# Allegro board Try it by yourself - iMX6Rex module - Create Class - Assign Color - Copy last segment.brd (continued)
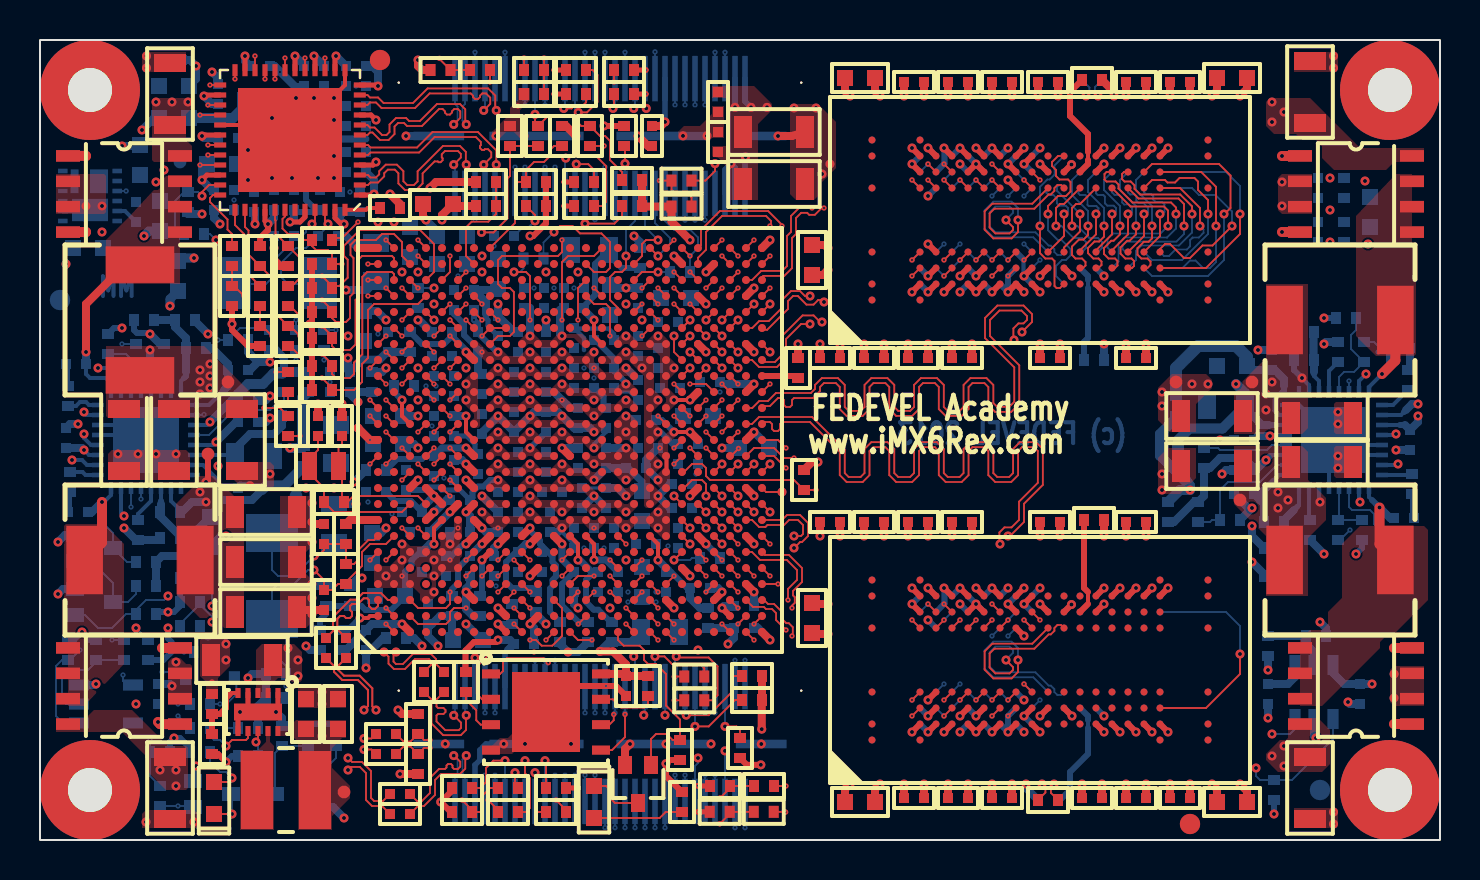
[diagram p0: board, top side]
## Routing (per net, layer and track width the routed paths; a pad name or vN(x,y) marks a point on that pad's centre or on a via; arc(x,y) is an arc through that point) (continued)
  L10 w0.08: v4(27.75,38.58) v5(27.75,38.98) ; v4(11.6,37.1) 11.65,37.05 11.65,36.72 11.5,36.57 11.25,36.57 10.75,37.07 10.5,37.07 10.35,36.92 10.35,36.67 10.55,36.47 10.55,36.22 10.4,36.07 10.15,36.07 10.02,36.2 9.83,36.2 8.46,34.83 8.12,34.83 6.17,32.88 6.17,32.57 5.82,32.22 5.82,31.43 4.82,30.43 4.82,29.53 v4(4.3,29)
  L11 w0.1: v5(27.75,38.98) v6(27.75,39.38)
  BOTTOM w0.093: J1.32 v6(27.75,39.38)
SD3_WP: length 51.6
  TOP w0.093: R40.1 29.25,34.65 v1(29.25,33.82) ; v2(18.1,22.8) U1.C17
  L2 w0.1: v2(18.1,22.8) v3(18.4,23.1)
  L3 w0.08: v3(18.4,23.1) 18.27,23.22 17.14,23.22 16.77,23.6 16.5,23.6 16.22,23.32 15.03,23.32 14.58,22.87 11.94,22.87 11.48,23.33 11.26,23.33 8.66,25.93 7.44,25.93 6.9,26.47 6.9,26.83 5.9,27.83 v4(5.9,29.5) ; v1(29.25,33.82) 28.93,33.5 28.62,33.5 28.3,33.82 27.99,33.82 27.45,33.29 26.7,33.29 26.38,33.6 25.5,33.6 25,33.1 23.57,33.1 23.3,32.83 20.37,32.83 19.82,33.38 18.84,33.38 17.54,34.68 16.48,34.68 16.3,34.5 15.4,34.5 15,34.9 14.13,34.9 13.96,34.73 13.54,34.73 13.3,34.97 13.3,35.17 12.87,35.6 v4(12.2,35.6)
  L10 w0.08: v4(5.9,29.5) 6.1,29.7 6.1,30.3 7.72,31.93 7.72,32.36 7.94,32.57 8.27,32.57 8.8,33.1 9.4,33.1 10.22,33.93 12.42,33.93 13.17,34.68 13.17,35.33 12.9,35.6 v4(12.2,35.6)
  BOTTOM w0.093: J1.25 v1(29.25,33.82)
SENSE_1V5: length 3.5
  BOTTOM w0.4: R59.1 R67.2 63.3,9.8 63.7,9.4 U6.5
TAMPER: length 19
  TOP w0.093: v2(19.7,18) U1.E11
  L2 w0.1: v3(19.4,18.3) v2(19.7,18)
  L3 w0.08: v3(19.4,18.3) 19.32,18.38 18.74,18.38 18.52,18.16 18.52,17.96 17.5,16.93 16.46,16.93 15.93,16.4 13,16.4 12.1,15.5 10.51,15.5 9.59,14.58 8.57,14.58 7.8,13.8 7.8,12 8.1,11.7 v1(8.6,11.7)
  BOTTOM w0.093: v1(8.6,11.7) 8.6,12.5 R55.1
TEST_MODE: length 24.4
  TOP w0.093: v2(19.7,18.8) U1.E12
  L2 w0.1: v2(19.7,18.8) v3(20,19.1)
  L3 w0.08: v3(20,19.1) 19.12,19.98 18.74,19.98 18.37,19.6 16.12,19.6 15.72,19.2 13.23,19.2 12,17.97 12,17.5 11.52,17.03 9.34,17.03 8.1,15.79 7.8,15.79 5.75,13.74 5.75,10.65 6.17,10.23 6.67,10.23 6.8,10.1 v4(6.8,9.8)
  L10 w0.08: v5(6.8,9.4) v4(6.8,9.8)
  L11 w0.1: v5(6.8,9.4) v6(7.2,9.4)
  BOTTOM w0.093: v6(7.2,9.4) R56.2
TRD0_N: length 9.8
  TOP w0.09: U8.3 16.4,33.25 16.52,33.13 16.8,33.13 16.96,33.29 16.96,33.44 17.29,33.77 17.84,33.77 18.17,33.44 18.17,32.94 18.36,32.75 18.7,32.75 18.88,32.93 18.88,33.43 20.15,34.7 21,34.7 21.29,34.41 21.29,33.79 v1(21.31,33.77)
  BOTTOM w0.09: J1.57 21.25,33.71 v1(21.31,33.77)
TRD0_P: length 9.8
  TOP w0.09: v1(20.69,33.77) 21.04,34.12 21.04,34.3 20.9,34.45 20.25,34.45 20.09,34.29 20.09,34.13 20.13,34.09 20.13,33.99 20.03,33.89 19.93,33.89 19.89,33.93 19.73,33.93 19.13,33.33 19.13,32.83 18.8,32.5 18.25,32.5 17.92,32.83 17.92,33.34 17.74,33.52 17.39,33.52 17.21,33.34 17.21,33.18 16.9,32.88 16.52,32.88 16.4,32.75 U8.2
  BOTTOM w0.09: v1(20.69,33.77) 20.75,33.71 J1.59
TRD1_N: length 9.8
  TOP w0.09: U8.6 16.4,34.75 16.52,34.63 18.85,34.63 19.63,35.4 21.9,35.4 22.81,34.48 v1(22.81,33.77)
  BOTTOM w0.09: v1(22.81,33.77) 22.75,33.71 J1.51
TRD1_P: length 9.8
  TOP w0.09: v1(22.19,33.77) 22.56,34.14 22.56,34.38 22.4,34.54 22.24,34.54 22.2,34.5 22.1,34.5 22,34.6 22,34.7 22.04,34.74 22.04,34.9 21.79,35.15 19.73,35.15 18.96,34.38 16.52,34.38 16.4,34.25 U8.5
  BOTTOM w0.09: J1.53 22.25,33.71 v1(22.19,33.77)
TRD2_N: length 9.8
  TOP w0.09: v1(21.31,35.78) 21.26,35.83 21.26,36.54 21,36.8 19.85,36.8 19,35.95 18.45,35.95 18.3,36.1 17.8,36.1 17.47,35.78 17.47,35.4 17.32,35.25 17.1,35.25 16.73,35.63 16.5,35.63 16.37,35.75 U8.8
  BOTTOM w0.09: J1.58 21.25,36.8 21.12,36.67 21.12,35.97 v1(21.31,35.78)
TRD2_P: length 9.8
  TOP w0.09: v1(20.69,35.78) 21.01,36.11 21.01,36.43 20.9,36.55 20.71,36.55 20.6,36.44 20.6,36.37 20.5,36.27 20.35,36.27 20.25,36.37 20.25,36.44 20.13,36.55 19.95,36.55 19.1,35.7 18.35,35.7 18.2,35.85 17.9,35.85 17.72,35.67 17.72,35.3 17.43,35 17,35 16.62,35.38 16.5,35.38 16.37,35.25 U8.7
  BOTTOM w0.09: v1(20.69,35.78) 20.87,35.97 20.87,36.67 20.75,36.8 J1.60
TRD3_N: length 9.8
  TOP w0.09: v1(22.81,36.48) 22.76,36.53 22.76,37.22 22.4,37.58 19.38,37.58 18.65,36.85 17.18,36.85 16.9,37.13 16.5,37.13 16.37,37.25 U8.11
  BOTTOM w0.09: J1.52 22.75,36.54 v1(22.81,36.48)
TRD3_P: length 9.8
  TOP w0.09: v1(22.19,36.48) 22.51,36.81 22.51,37.12 22.3,37.33 22.11,37.33 22,37.22 22,37.15 21.9,37.05 21.75,37.05 21.65,37.15 21.65,37.22 21.53,37.33 19.48,37.33 18.75,36.6 17.07,36.6 16.8,36.88 16.5,36.88 16.37,36.75 U8.10
  BOTTOM w0.09: J1.54 22.25,36.54 v1(22.19,36.48)
UART1_CTS: length 21.8
  TOP w0.093: U1.G21 v2(22.1,26)
  L2 w0.1: v2(22.1,26) v3(22.4,26.3)
  L3 w0.08: v4(32.75,33.57) 32.75,33.11 32.62,32.99 32.62,32.71 30.28,30.36 30.28,29.65 29.18,28.55 27.75,28.55 27.22,28.03 26.74,28.03 26.24,28.53 25.85,28.53 25.6,28.78 23.54,28.78 23.36,28.59 22.89,28.59 22.27,27.98 21.9,27.98 21.62,27.7 21.62,26.85 22.17,26.3 v3(22.4,26.3)
  L10 w0.08: v5(32.75,31.39) v4(32.75,33.57)
  L11 w0.1: v6(32.75,30.99) v5(32.75,31.39)
  BOTTOM w0.093: J1.11 v6(32.75,30.99)
UART1_DCD: length 22.1
  TOP w0.093: v2(18.9,30) U1.D25
  L2 w0.1: v2(18.9,30) v3(19.2,30.3)
  L3 w0.08: v3(19.2,30.3) 19.4,30.3 20.48,29.22 20.83,29.22 21.61,30 23,30 23.17,29.83 25.91,29.83 26.34,29.4 27.97,29.4 28.92,30.36 28.92,30.52 29.39,30.98 29.57,30.98 31.47,32.89 31.47,33.23 31.25,33.46 v4(31.25,34.17)
  L10 w0.08: v4(31.25,34.17) 31.25,34.58 31.75,35.08 v5(31.75,37.16)
  L11 w0.1: v6(31.75,36.76) v5(31.75,37.16)
  BOTTOM w0.093: J1.16 v6(31.75,36.76)
UART1_DSR: length 18.6
  TOP w0.093: U1.G22 v2(22.1,26.8)
  L2 w0.1: v2(22.1,26.8) v3(22.4,27.1)
  L3 w0.08: v4(33.25,32.97) 33.22,32.97 30.52,30.27 30.52,29.53 29.3,28.3 27.78,28.3 27.31,27.83 26.58,27.83 26.37,28.03 26.1,28.3 25.8,28.3 25.52,28.03 25.14,28.03 24.87,28.3 24.2,28.3 23.92,28.03 23.32,28.03 v3(22.4,27.1)
  L10 w0.08: v5(33.25,31.39) v4(33.25,32.97)
  L11 w0.1: v6(33.25,30.99) v5(33.25,31.39)
  BOTTOM w0.093: J1.9 v6(33.25,30.99)
UART1_DTR: length 20
  TOP w0.093: U1.F22 v2(21.3,27.6)
  L2 w0.1: v3(21,27.9) v2(21.3,27.6)
  L3 w0.08: v3(21,27.9) 20.7,28.2 20.7,28.8 21.7,29.8 22.76,29.8 23,29.56 25.84,29.56 26.2,29.2 28.1,29.2 29.12,30.22 29.12,30.44 29.47,30.78 29.7,30.78 31.67,32.75 31.67,33.49 v4(31.75,33.57)
  L10 w0.08: v5(31.75,31.39) v4(31.75,33.57)
  L11 w0.1: v6(31.75,30.99) v5(31.75,31.39)
  BOTTOM w0.093: J1.15 v6(31.75,30.99)
UART1_RI: length 21.8
  TOP w0.093: U1.F23 v2(21.3,28.4)
  L2 w0.1: v3(21,28.7) v2(21.3,28.4)
  L3 w0.08: v4(32.25,34.17) 32.25,33.54 31.87,33.16 31.87,32.62 29.84,30.58 29.55,30.58 29.32,30.36 29.32,30.09 28.24,29 26.07,29 25.77,29.3 22.8,29.3 22.5,29.6 21.9,29.6 v3(21,28.7)
  L10 w0.08: v5(33.25,37.16) 33.75,36.66 33.75,34.96 33,34.21 32.29,34.21 v4(32.25,34.17)
  L11 w0.1: v6(33.25,36.76) v5(33.25,37.16)
  BOTTOM w0.093: v6(33.25,36.76) J1.10
UART1_RTS: length 20
  TOP w0.093: v2(21.3,26) U1.G20
  L2 w0.1: v2(21.3,26) v3(21.6,26.3)
  L3 w0.08: v4(32.25,32.97) 32.25,32.66 30.08,30.49 30.08,29.88 29.9,29.7 29.27,29.7 28.34,28.78 25.96,28.78 25.7,29.04 22.47,29.04 22.26,28.83 21.99,28.83 21.3,28.13 21.3,27.13 21.37,27.06 21.37,26.53 v3(21.6,26.3)
  L10 w0.08: v5(32.25,31.39) v4(32.25,32.97)
  L11 w0.1: v6(32.25,30.99) v5(32.25,31.39)
  BOTTOM w0.093: J1.13 v6(32.25,30.99)
UART1_RXD: length 98.1
  TOP w0.093: v4(24.5,10) 24.8,10 25.08,9.71 25.61,9.71 26.1,10.2 26.1,11.6 U1.M3
  L2 w0.1: v3(24.2,10.3) v4(24.5,10)
  L3 w0.08: v3(24.2,10.3) v4(24.5,10) ; v4(16.1,35.2) 17.73,35.2 18.11,34.83 18.29,34.83 19.02,34.1 19.82,34.1 20.53,33.39 23,33.39 23.51,33.9 24.6,33.9 25.48,34.78 26.95,34.78 27.42,35.25 28.28,35.25 28.41,35.38 29.27,35.38 29.66,35.78 30.22,35.78 31.31,36.86 32.01,36.86 v4(32.25,36.62)
  L10 w0.08: v4(24.5,10) 24.54,10 24.94,9.6 25.92,9.6 26.1,9.78 26.56,9.78 26.77,9.56 26.77,7.8 27.12,7.45 27.12,6.51 27.62,6.01 27.62,4.98 28.3,4.3 28.3,3 27.67,2.38 27.67,1.68 27.27,1.27 18.13,1.27 17.7,1.7 11.14,1.7 10.86,1.98 8.62,1.98 7.42,3.17 7.42,3.93 7.6,4.1 7.6,5.95 7.35,6.2 7.35,7.82 5.72,9.44 5.72,9.98 6,10.25 6,14.89 6.42,15.32 6.42,19.54 5.71,20.25 5.71,21.11 6,21.4 6,24 6.15,24.15 6.15,25.32 7.2,26.37 7.7,26.37 10.75,29.42 10.75,29.65 11.32,30.22 11.69,30.22 12.1,30.63 12.1,31.03 12.34,31.28 13.3,31.28 13.4,31.18 15.29,31.18 16,31.89 16,34.7 16.1,34.8 v4(16.1,35.2) ; v4(32.25,36.62) v5(32.25,37.16)
  L11 w0.1: v6(32.25,36.76) v5(32.25,37.16)
  BOTTOM w0.093: v6(32.25,36.76) J1.14
UART1_TXD: length 97.4
  TOP w0.093: v4(25.3,10) U1.M1
  L2 w0.1: v3(25,10.3) v4(25.3,10)
  L3 w0.08: v4(32.75,36.02) 32.52,36.24 32.09,36.24 31.73,36.61 31.39,36.61 30.36,35.57 29.74,35.57 29.35,35.18 28.49,35.18 28.31,35 27.5,35 27.03,34.53 25.56,34.53 24.68,33.65 23.59,33.65 23.13,33.19 20.45,33.19 19.79,33.85 18.94,33.85 18.16,34.63 18.02,34.63 17.65,35 16.43,35 16.26,34.83 15.67,34.83 v4(15.3,35.2) ; v3(25,10.3) v4(25.3,10)
  L10 w0.08: v4(32.75,36.02) v5(32.75,37.16) ; v4(25.3,10) 26.71,10 27,9.71 27,7.96 27.37,7.59 27.37,6.64 27.87,6.14 27.87,5.11 28.55,4.43 28.55,2.87 27.87,2.19 27.87,1.59 27.35,1.07 18.03,1.07 17.6,1.5 11.05,1.5 10.78,1.78 8.42,1.78 7.17,3.03 7.17,4.08 7.3,4.2 7.3,5.8 7.1,6 7.1,7.73 5.5,9.33 5.5,10.03 5.8,10.33 5.8,11.7 5.7,11.8 5.7,15.03 6.17,15.5 6.17,19.46 5.45,20.18 5.45,21.23 5.7,21.48 5.7,24.1 5.9,24.3 5.9,25.4 7.1,26.6 7.6,26.6 10.45,29.45 10.45,29.72 11.16,30.43 11.56,30.43 11.9,30.77 11.9,31.2 12.2,31.5 13.4,31.5 13.47,31.43 15.16,31.43 15.7,31.97 15.7,34.8 v4(15.3,35.2)
  L11 w0.1: v6(32.75,36.76) v5(32.75,37.16)
  BOTTOM w0.093: v6(32.75,36.76) J1.12
UART2_CTS: length 49.7
  TOP w0.093: U1.B20 v2(18.1,25.2)
  L2 w0.1: v3(17.8,25.5) v2(18.1,25.2)
  L3 w0.08: v4(17.5,25.2) v3(17.8,25.5)
  L10 w0.08: v4(17.5,25.2) 17.42,25.13 15.92,25.13 15.6,24.8 15.1,24.8 14.8,24.5 14.8,24.23 12.9,22.33 12.9,19.45 11.88,18.42 11.88,17.54 11.7,17.37 11.7,12.05 9.7,10.05 9.7,8.87 9.27,8.44 9.27,7.66 10.4,6.53 10.4,6.25 9.67,5.52 9.67,3.82 10.75,2.75 13.37,2.75 13.82,2.3 20.22,2.3 20.69,1.82 25.99,1.82 26.8,2.63 26.8,2.9 27,3.1 27.21,3.1 v5(27.75,3.64)
  L11 w0.1: v6(27.75,3.24) v5(27.75,3.64)
  BOTTOM w0.093: J2.31 v6(27.75,3.24)
UART2_RTS: length 48.8
  TOP w0.093: v2(18.1,24.4) U1.C19
  L2 w0.1: v2(18.1,24.4) v3(18.4,24.7)
  L3 w0.08: v3(18.4,24.7) 18.1,24.7 v4(18,24.8)
  L10 w0.08: v4(18,24.8) 17.37,24.8 17.24,24.93 16.01,24.93 15.58,24.5 15.2,24.5 15.02,24.33 15.02,24.12 13.1,22.2 13.1,19.37 12.07,18.34 12.07,17.46 11.9,17.29 11.9,11.97 9.9,9.97 9.9,8.79 9.53,8.41 9.53,7.74 10.6,6.66 10.6,6.12 9.92,5.44 9.92,3.9 10.83,3 13.45,3 13.93,2.52 20.28,2.52 20.78,2.03 25.91,2.03 26.58,2.69 26.58,2.98 27.24,3.64 v5(27.25,3.64)
  L11 w0.1: v6(27.25,3.24) v5(27.25,3.64)
  BOTTOM w0.093: J2.33 v6(27.25,3.24)
UART2_RXD: length 48.7
  TOP w0.093: v4(19.7,23.6) U1.E18
  L2 w0.1: v3(19.4,23.9) v4(19.7,23.6)
  L3 w0.08: v3(19.4,23.9) v4(19.7,23.6)
  L10 w0.08: v5(26.75,3.64) 26.44,3.64 25.96,3.17 25.96,2.68 25.71,2.43 20.94,2.43 20.45,2.92 14.2,2.92 13.62,3.5 10.99,3.5 10.42,4.07 10.42,5.28 11,5.85 11,6.93 10.02,7.9 10.02,8.35 10.3,8.62 10.3,9.8 12.3,11.8 12.3,17.12 12.47,17.3 12.47,18.18 13.5,19.2 13.5,21.93 15.07,23.5 15.61,23.5 15.97,23.86 15.97,24.18 16.32,24.53 17.08,24.53 17.4,24.2 19.1,24.2 v4(19.7,23.6)
  L11 w0.1: v6(26.75,3.24) v5(26.75,3.64)
  BOTTOM w0.093: J2.35 v6(26.75,3.24)
UART2_TXD: length 47.8
  TOP w0.093: U1.D19 v2(19.7,24.4)
  L2 w0.1: v3(19.4,24.7) v2(19.7,24.4)
  L3 w0.08: v3(19.4,24.7) 19.1,24.7 v4(19,24.8)
  L10 w0.08: v4(19,24.8) 18.62,24.43 17.46,24.43 17.16,24.73 16.19,24.73 15.77,24.31 15.77,23.94 15.56,23.73 14.96,23.73 13.3,22.06 13.3,19.28 12.27,18.26 12.27,17.38 12.1,17.2 12.1,11.88 10.1,9.88 10.1,8.7 9.77,8.38 9.77,7.82 10.8,6.8 10.8,5.98 10.17,5.36 10.17,3.99 10.91,3.25 13.54,3.25 14.07,2.72 20.36,2.72 20.86,2.23 25.79,2.23 26.25,2.69 v5(26.25,2.84)
  L11 w0.1: v5(26.25,2.84) v6(26.25,3.24)
  BOTTOM w0.093: J2.37 v6(26.25,3.24)
UGATE1_2V5: length 14.6
  TOP w0.5: v1(62.1,34.2) 62.99,34.2 Q6.1
  L3 w0.6: v1(66.3,23.3) 66.3,23.6 ; 62.4,33.9 v1(62.1,34.2)
  L3 w0.8: 66.3,23.6 66.3,26.3 63.7,28.9 63.7,32.6 62.4,33.9
  BOTTOM w0.2: U13.15 65.95,22.95 v1(66.3,23.3)
UGATE1_3V3: length 17.9
  TOP w0.5: Q3.1 6,5.8 v1(5.9,5.9)
  L3 w0.5: 3.2,15.82 3.58,16.2 v1(4.2,16.2)
  L3 w0.6: v1(5.9,5.9) 5.6,5.9
  L3 w0.8: 3.2,15.82 1.8,14.42 1.8,11.4 1.2,10.8 1.2,10.1 2,9.3 2,7.3 3.4,5.9 5.6,5.9
  BOTTOM w0.2: U11.15 4.05,16.35 v1(4.2,16.2)
UGATE2_1V5: length 14.3
  TOP w0.5: Q7.1 68.59,5.8 v1(67.7,5.8)
  L3 w0.6: v1(67.7,5.8) 67.57,5.8 67.17,6.2 ; v1(66,16.9) 65.8,16.7
  L3 w0.8: 67.17,6.2 65.87,7.5 65.87,10.03 65.07,10.83 65.07,15.98 65.8,16.7
  BOTTOM w0.2: U13.26 65.95,16.95 v1(66,16.9)
UGATE2_1V375: length 14.5
  TOP w0.5: v1(2.3,34.2) 2.29,34.21 Q4.1
  L3 w0.6: 3.1,24.6 3.1,23.8 v1(2.9,23.6) ; v1(2.3,34.2) 2.5,34 ; 3.1,27.1 3.1,27.7 3.4,28 3.4,29.67 3.82,30.1 3.82,30.6
  L3 w0.8: 3.1,27.1 3.1,24.6 ; 2.5,34 3.82,32.68 3.82,30.6
  BOTTOM w0.2: v1(2.9,23.6) 3.5,23.6 4.05,23.05 U11.26
USB0_ID: length 112
  TOP w0.093: v2(28.5,13.2) U1.T4
  L2 w0.1: v3(28.2,12.9) v2(28.5,13.2)
  L3 w0.08: v4(63.4,37.5) 62.4,38.5 52.7,38.5 52.3,38.9 39.2,38.9 39,39.1 36.64,39.1 36,38.46 34.75,38.46 34.29,38.92 31.26,38.92 v4(31.05,38.71) ; v4(63.1,8.5) 62.5,8.5 61.7,7.7 61.1,7.7 57.7,4.3 51.5,4.3 50.4,3.2 38.09,3.2 37.59,3.7 36.63,3.7 36.18,4.15 35.65,4.15 35.4,4.4 35.4,5.84 32.87,8.37 32.87,8.57 32.41,9.03 32.41,9.29 32.1,9.6 31.39,9.6 31.11,9.88 31.11,11.55 31.65,12.08 31.65,12.84 30.87,13.63 29.13,13.63 28.4,12.9 v3(28.2,12.9)
  L10 w0.08: v4(63.1,8.5) 63.1,22.4 62.62,22.87 62.62,23.7 63.5,24.58 63.5,27.6 64,28.1 64,33.1 63.4,33.7 v4(63.4,37.5) ; v5(30.75,39.01) v4(31.05,38.71)
  L11 w0.1: v5(30.75,39.01) v6(30.75,39.41)
  BOTTOM w0.093: J1.20 v6(30.75,39.41)
USB0_N: length 55.4
  TOP w0.101: v2(17.3,14) U1.B6
  L2 w0.1: v2(17.3,14) v3(17.6,14.3)
  L3 w0.085: v4(19.2,34.6) 19.38,34.78 19.67,34.78 19.91,34.54 24.36,34.54 25.54,35.71 27.29,35.71 27.73,36.15 28.28,36.15 28.41,36.01 29.3,36.01 29.48,36.2 29.93,36.2 v1(30.31,36.58) ; v3(17.6,14.3) 17.5,14.4 17.5,14.9 17.2,15.2 16.38,15.2 16.08,15.5 13.4,15.5 12.72,14.82 10.74,14.82 9.62,13.7 8.8,13.7 v4(8.6,13.9)
  L10 w0.085: v4(19.2,34.6) 18.9,34.9 18.8,34.9 18.65,34.75 18.65,34.5 18.6,34.45 18.35,34.45 18.07,34.17 18.07,31.63 18.27,31.43 18.27,30.48 16.77,28.99 13.09,28.99 10.17,26.07 10.17,25.52 9.83,25.18 9.83,22.32 9.6,22.08 9.6,19.82 8.85,19.07 8.65,19.07 8.53,18.95 8.53,18.47 8.87,18.14 8.87,16.65 8.4,16.19 8.4,15.22 8.1,14.92 8.1,14.6 8.15,14.55 8.27,14.55 8.32,14.5 8.32,14.35 8.27,14.3 8.15,14.3 8.1,14.25 8.1,13.7 8.2,13.6 8.36,13.6 8.6,13.84 v4(8.6,13.9)
  BOTTOM w0.101: J1.22 30.25,36.64 v1(30.31,36.58)
USB0_P: length 55.4
  TOP w0.101: v2(16.5,14) U1.A6
  L2 w0.1: v2(16.5,14) v3(16.8,14.3)
  L3 w0.085: v4(19.2,35.2) 19.42,34.98 19.75,34.98 20,34.74 24.28,34.74 25.46,35.91 27.21,35.91 27.64,36.35 28.36,36.35 28.5,36.21 29.21,36.21 29.3,36.3 29.3,36.8 29.4,36.9 29.6,36.9 29.69,36.81 v1(29.69,36.58) ; v3(16.8,14.3) 17.09,14.3 17.3,14.51 17.3,14.82 17.12,15 16.3,15 16,15.3 13.48,15.3 12.8,14.62 10.82,14.62 9.7,13.5 8.8,13.5 v4(8.6,13.3)
  L10 w0.085: v4(19.2,35.2) 19.1,35.1 18.72,35.1 17.87,34.25 17.87,31.55 18.07,31.35 18.07,30.57 16.69,29.19 13.01,29.19 9.97,26.15 9.97,25.6 9.63,25.26 9.63,22.4 9.4,22.17 9.4,19.9 8.77,19.27 8.57,19.27 8.33,19.03 8.33,18.39 8.67,18.05 8.67,16.74 8.2,16.27 8.2,15.3 7.9,15 7.9,13.62 8.12,13.4 8.5,13.4 v4(8.6,13.3)
  BOTTOM w0.101: v1(29.69,36.58) 29.75,36.64 J1.24
USB0_PWR_EN: length 24.8
  TOP w0.093: v2(20.5,29.2) 20.5,28.4 U1.E23
  L2 w0.1: v2(20.5,29.2) v3(20.5,29.6)
  L3 w0.08: v3(20.5,29.6) v4(20.5,30)
  L10 w0.08: v5(29.25,38.98) 29.25,38.33 28.49,37.57 26.83,37.57 26.5,37.9 26.5,38.5 26,39 23.93,39 23.73,38.8 23.2,38.8 22.92,39.08 21.98,39.08 20.87,37.97 20.87,37.34 19.7,36.17 19.7,34.57 18.85,33.72 18.85,30.85 19.7,30 v4(20.5,30)
  L11 w0.1: v5(29.25,38.98) v6(29.25,39.38)
  BOTTOM w0.093: J1.26 v6(29.25,39.38)
USB1_N: length 20.4
  TOP w0.101: v2(20.5,18) U1.F10
  L2 w0.1: v2(20.5,18) v3(20.8,17.7)
  L3 w0.085: v4(24.59,8.03) 24.42,8.2 24.02,8.2 22.82,9.4 22.5,9.4 22.3,9.6 21.7,9.6 20.2,11.1 20.2,11.3 19.67,11.83 19.46,11.83 19.13,12.17 19.13,12.6 18.7,13.03 18.7,14.8 17.92,15.58 17.92,16.32 19.7,18.1 20.4,18.1 v3(20.8,17.7)
  L10 w0.085: v4(24.59,8.03) 24.87,7.75 25.43,7.75 25.72,8.04 25.72,8.56 v5(25.75,8.58)
  L11 w0.1: v5(25.75,8.58) v6(25.75,8.98)
  BOTTOM w0.101: J2.40 v6(25.75,8.98)
USB1_P: length 20.3
  TOP w0.101: U1.E10 v2(20.5,17.2)
  L2 w0.1: v3(20.2,17.5) v2(20.5,17.2)
  L3 w0.085: v4(24.59,8.59) 24.39,8.4 24.1,8.4 22.9,9.6 22.58,9.6 22.38,9.8 21.78,9.8 20.4,11.18 20.4,11.38 19.75,12.03 19.55,12.03 19.33,12.25 19.33,12.68 18.9,13.12 18.9,14.88 18.12,15.66 18.12,16.24 19.78,17.9 20.32,17.9 20.51,17.71 20.51,17.58 20.59,17.49 20.59,17.34 20.5,17.25 20.3,17.25 20.2,17.35 v3(20.2,17.5)
  L10 w0.085: v4(24.59,8.59) 25,8.18 25,8.05 25.1,7.95 25.35,7.95 25.52,8.13 25.52,8.31 v5(25.25,8.58)
  L11 w0.1: v5(25.25,8.58) v6(25.25,8.98)
  BOTTOM w0.101: J2.42 v6(25.25,8.98)
USB1_PWR_EN: length 96.5
  TOP w0.093: U1.H21 v2(22.9,26)
  L2 w0.1: v2(22.9,26) v3(23.2,26.3)
  L3 w0.08: v4(23.42,38.2) 23.05,38.57 21.89,38.57 21.52,38.21 19.81,38.21 v4(19.6,38) ; v4(22,27.4) 22,27.1 22.51,26.59 22.52,26.59 22.8,26.3 v3(23.2,26.3)
  L10 w0.08: v4(19.6,38) 18.02,36.43 18.02,36.09 16.42,34.49 16.42,32.56 16.32,32.46 16.32,31.73 15.57,30.98 15.57,30.64 15.36,30.43 12.35,30.43 11.9,29.98 11.54,29.98 11.32,29.76 11.32,29.22 8.8,26.7 8.5,26.7 7.8,26 7.5,26 6.55,25.05 6.55,24.15 6.3,23.9 6.3,20.33 7.17,19.46 7.17,17.46 6.99,17.27 6.99,15.09 6.77,14.88 6.77,10.36 7.3,9.83 7.3,8.6 7.7,8.2 7.7,6.6 8.1,6.2 8.1,4 8.3,3.8 8.3,2.9 8.9,2.3 10.82,2.3 11.12,2 18,2 18.47,1.53 26.84,1.53 27.47,2.16 27.47,2.68 28.03,3.24 28.03,3.76 27.42,4.37 27.42,4.59 26.62,5.39 26.62,6.08 26.3,6.41 26.3,8.82 25.94,9.18 24.95,9.18 v5(24.75,9.38) ; v4(22,27.4) 21.14,28.26 21.14,30.56 20,31.7 20,34.1 20.3,34.4 20.3,36 21.47,37.17 21.47,37.8 22.24,38.57 22.66,38.57 23.03,38.2 v4(23.42,38.2)
  L11 w0.1: v6(24.75,8.98) v5(24.75,9.38)
  BOTTOM w0.093: J2.44 v6(24.75,8.98)
USB_OC: length 28.6
  TOP w0.093: R100.1 28.7,36.63 v1(28.65,36.58) ; U1.J20 U1.H20 v2(22.1,25.2)
  L2 w0.1: v2(22.1,25.2) v3(22.4,24.9)
  L3 w0.08: v3(22.4,24.9) v4(22.4,25.4)
  L10 w0.08: v4(22.4,25.4) 22.4,26.1 21.9,26.6 21.9,26.9 21.62,27.18 21.62,27.34 20.89,28.08 20.89,30.14 20.64,30.39 20.18,30.39 19.72,30.84 19.72,31.28 19.1,31.9 19.1,33.6 20,34.5 20,36.08 21.17,37.25 21.17,37.88 22.11,38.83 22.79,38.83 23.04,38.57 25.82,38.57 26.1,38.3 26.1,37.8 26.71,37.19 28.04,37.19 v1(28.65,36.58)
  BOTTOM w0.093: J1.28 28.75,36.68 v1(28.65,36.58)
USER_LED: length 10.4
  TOP w0.093: U1.T1 28.9,10 29.18,9.71 29.98,9.71 30.2,9.5 30.2,9 30.4,8.8 30.4,8.81 30.79,8.81 31.3,8.3 31.3,6.72 32,6.02 R115.1 31.63,5 31.33,5.3 30.8,5.3 30.55,5.05 Q2.1
WD_OUT: length 81.9
  TOP w0.093: v2(27.7,27.6) U1.R22
  L2 w0.1: v2(27.7,27.6) v3(28,27.9)
  L3 w0.08: v4(15.3,32.2) 15.8,31.7 18.07,31.7 18.2,31.57 19.54,31.57 19.74,31.38 20.33,31.38 20.55,31.16 24.14,31.16 24.51,31.53 24.99,31.53 25.29,31.23 26.24,31.23 27.05,30.42 27.49,30.42 29.4,32.33 29.4,33.25 30,33.86 30.35,33.86 30.67,34.18 30.67,34.43 31.07,34.83 33.27,34.83 34.12,33.98 34.12,33.3 31.27,30.45 31.27,29.04 31.06,28.83 30.62,28.83 29.77,27.98 29,27.98 28.92,27.9 v3(28,27.9)
  L10 w0.08: v5(3.6,10.4) 3.1,10.9 3.1,11.4 2.1,12.4 2.1,18.4 2.57,18.87 2.57,22.58 3.3,23.3 3.3,24 2.1,25.2 2.1,29.9 1.92,30.08 1.92,32 3.92,34 4.31,34 5.2,34.88 5.45,34.88 6.97,36.41 6.97,37.38 7.4,37.8 8.95,37.8 9.65,38.5 15.1,38.5 16.07,37.53 16.07,36.71 15.58,36.22 15.45,36.22 14.7,35.47 14.7,34.8 15.3,34.2 v4(15.3,32.2)
  L11 w0.1: v6(3.6,10) v5(3.6,10.4)
  BOTTOM w0.093: v6(3.6,10) R71.1
WD_OUT_R: length 5.8
  BOTTOM w0.093: 4.3,9 R71.2 2.9,9 ; 2.9,9 2.4,8.5 1.4,8.5 1.1,8.2 1.1,7 1.3,6.8 U7.2 ; 2.9,9 R69.1
ZQPAD: length 1.8
  TOP w0.3: R10.1 37.8,23.2 U1.AE17

## Copper pours and planes (outline as drawn; the poured copper is in the pictures)
+1V1_VDDSOC_CAP on TOP: 28.8,19.8 29,19.8 29.2,20 29.4,20 29.6,19.8 29.8,19.8 29.9,19.9 29.9,20.9 29.5,21.3 29.1,21.3 28.7,20.9 28.7,19.9
+1V1_VDDSOC_CAP on TOP: 28,17.4 28.8,17.4 29.1,17.1 29.5,17.1 29.9,17.5 29.9,17.7 29.8,17.8 29.6,17.8 29.4,17.6 29.2,17.6 29,17.8 28,17.8 27.9,17.7 27.9,17.5
+1V1_VDDSOC_CAP on BOTTOM: 29.7,19.3 30.1,19.3 30.1,21.4 31.2,21.4 31.7,20.9 31.7,20.8 32.6,20.8 32.6,21.6 31.7,21.6 31.6,21.7 30.5,21.7 30.2,22 30.2,22.3 29.6,22.3 29.6,21.5 29.3,21.5 29.1,21.3 29.1,20.3 29.2,20.2 29.4,20.2 29.6,20 29.6,19.4
+1V1_VDDSOC_CAP on L5 (PWR): 15.5,21 15.5,21.9 17.1,23.5 20.3,23.5 20.4,23.6 20.4,25.1 32.7,25.1 32.7,39 48.2,39 48.2,25 43,25 39,21 39,14.7 37,12.7 33.4,12.7 32.5,11.8 32.5,7.4 32.4,7.3 19.4,7.3 19.4,11.1 21.2,12.9 23.7,12.9 23.7,19.6 16.9,19.6
+1V2_ETH on BOTTOM: 2.5,32.3 3.4,32.3 3.4,32.8 4.7,32.8 4.7,32.4 4.4,32.1 3.6,32.1 3.6,31.8 4.4,31.8 4.6,31.6 5.1,31.6 5.2,31.5 6.4,31.5 6.4,32.8 7,33.4 7.5,33.9 7.5,35.3 7.9,35.7 7.9,36.5 7,36.5 7,35.9 6.4,35.3 6,34.9 6,34.2 5.5,33.7 2.5,33.7
+1V2_ETH on L5 (PWR): 1,39 7.1,39 7.1,27.3 10.6,23.8 12.5,23.8 12.5,19 13.5,18 13.5,14.1 16.5,14.1 16.5,12 14.4,9.9 7.5,9.9 7.5,21.7 5.2,21.7 5.2,26.2 1,26.2
+1V2_ETH_AVDDL on BOTTOM: 16,34.1 16.4,34.1 16.6,33.9 16.6,33.8 16.7,33.7 16.9,33.7 17,33.8 17,36.8 16.8,37 16,37
+1V2_ETH_DVDDL on L8 (PWR): 1,39 9.9,39 9.9,39.3 10,39.4 10.5,39.4 10.6,39.3 10.6,39 12.4,39 12.4,39.3 12.5,39.4 13,39.4 13.1,39.3 13.1,39 14.4,39 14.4,39.3 14.5,39.4 15.1,39.4 15.2,39.3 15.2,37.4 12.3,34.5 12.3,29.8 8.6,29.8 6,32.4 1,32.4
+1V2_VDD_ARM_CAP on TOP: 28.2,18.6 28.3,18.5 28.3,18.3 27.9,17.9 27.5,17.9 27.2,18.2 26.4,18.2 26.2,18.4 26,18.4 25.8,18.2 24.8,18.2 24.6,18.4 24.4,18.4 24.2,18.2 23.2,18.2 23,18.4 22.8,18.4 22.6,18.2 22.4,18.2 22.3,18.3 22.3,18.5 22.7,18.9 23.1,18.9 23.4,18.6 24,18.6 24.3,18.9 24.7,18.9 25,18.6 25.6,18.6 25.9,18.9 26.3,18.9 26.6,18.6 27.4,18.6 27.6,18.4 27.8,18.4 28,18.6
+1V2_VDD_ARM_CAP on TOP: 22.3,19.9 22.4,19.8 22.6,19.8 22.8,20 23,20 23.2,19.8 24.2,19.8 24.4,20 24.6,20 24.8,19.8 25.8,19.8 26,20 26.2,20 26.4,19.8 27.2,19.8 27.5,19.5 27.9,19.5 28.3,19.9 28.3,20.1 28.2,20.2 28,20.2 27.8,20 27.6,20 27.4,20.2 26.6,20.2 26.3,20.5 25.9,20.5 25.6,20.2 25,20.2 24.7,20.5 24.3,20.5 24,20.2 23.4,20.2 23.1,20.5 22.7,20.5 22.3,20.1
+1V2_VDD_ARM_CAP on BOTTOM: 22.6,17.7 22.6,17.2 23.2,17.2 23.3,17.3 23.3,17.6 23.5,17.8 23.5,18.9 23.7,19.1 24.1,19.1 24.3,18.9 24.3,18.7 24.4,18.6 24.6,18.6 25.1,19.1 25.6,19.1 25.9,18.8 25.9,18.7 26,18.6 26.2,18.6 26.3,18.7 26.3,18.9 25.8,19.4 25.8,19.7 26.1,20 26.3,20.2 26.3,20.5 26.2,20.6 26,20.6 25.8,20.4 25.8,20.2 25.3,19.7 24.2,19.7 24.7,20.2 24.7,20.5 24.6,20.6 24.4,20.6 24.2,20.4 24.2,20.2 23.9,19.9 23.5,19.9 23.2,20.2 23.2,20.4 23,20.6 22.8,20.6 22.6,20.4 22.6,20.1 22.2,19.7 21.8,19.7 21.6,19.5 21.6,19 22.2,19 22.6,18.6 22.9,18.6 23.2,18.3 23.2,17.9 23,17.7
+1V2_VDD_ARM_CAP on L7 (PWR): 17.2,18.9 17.2,20.4 22.2,20.4 22.2,21.9 29.2,21.9 29.2,15.7 25.4,15.7 25.4,16.3 23.7,16.3 23.7,18.4 22.3,18.4 21.8,18.9
+1V5_DDR on TOP: 63.4,12.2 63.4,15.1 64.3,16 64.3,17.1 63.4,18 63.4,19.4 63.1,19.7 59.7,19.7 59.7,16.8 61.3,15.2 61.3,12.2
+1V5_DDR on TOP: 30.2,16.7 30.3,16.6 30.6,16.6 31,17 31,17.4 30.5,17.9 30.5,18.1 31,18.6 31,19 30.7,19.3 30.7,19.9 31,20.2 31,20.6 30.6,21 30.6,21.4 31,21.8 31,22.2 30.7,22.5 30.7,24.1 30.6,24.2 29.8,24.2 29.5,24.5 29.1,24.5 28.8,24.2 28,24.2 27.9,24.1 27.9,23.9 28,23.8 29,23.8 29.2,24 29.4,24 30.2,23.2
+1V5_DDR on BOTTOM: 31.6,15.3 32.2,15.3 32.2,15.9 31.9,16.2 31.9,16.9 31.3,16.9 31.3,16.3 31.6,16
+1V5_DDR on BOTTOM: 30.8,21.8 31,21.8 31.3,22.1 31.3,22.8 31.5,23 32.4,23 32.7,22.7 32.7,22.6 33.3,22.6 33.3,23.2 32.6,23.2 32.5,23.3 31.3,23.3 31.2,23.4 31.2,23.9 30.6,23.9 30.2,24.3 30.2,24.5 29.6,24.5 29.5,24.6 29.2,24.6 29.1,24.5 29.1,24.3 30,23.4 30.2,23.4 30.6,23 30.6,22 30.7,21.9 31.1,21.9
+1V5_DDR on BOTTOM: 32.2,20.1 32.2,18.5 31.9,18.2 31.9,17.5 31.3,17.5 31.3,18.1 30.7,18.7 30.7,18.9 30.9,19.1 31.3,19.1 31.4,19.2 31.4,20.1
+1V5_DDR on BOTTOM: 63.6,33.4 66.1,33.4 66.9,32.6 66.9,31.7 66.1,31.7 66.1,32.5 65.8,32.8 63.6,32.8
+1V5_DDR on BOTTOM: 31.5,27.5 31.5,26.7 31.2,26.4 31.2,25.7 31.1,25.6 30.7,25.6 30.6,25.7 30.1,25.7 29.7,26.1 29.7,26.9 30.3,26.9 30.6,27.2 30.6,27.5
+1V5_DDR on L8 (PWR): 1,1 69,1 69,39 20.1,39 20.1,33.2 20.5,33.2 20.5,30.7 30.1,30.7 30.1,26.3 29,25.2 29,24.1 30,23.1 30,13.9 17.2,13.9 17.2,8.9 12.3,8.9 12.3,19.2 1,19.2
+1V375 on TOP: 22.3,20.7 22.4,20.6 22.6,20.6 22.8,20.8 23,20.8 23.2,20.6 24.2,20.6 24.4,20.8 24.6,20.8 24.8,20.6 25.8,20.6 26,20.8 26.2,20.8 26.4,20.6 27.2,20.6 27.5,20.3 27.9,20.3 28.3,20.7 28.3,20.9 28.2,21 28,21 27.8,20.8 27.6,20.8 27.4,21 26.6,21 26.3,21.3 25.9,21.3 25.6,21 25,21 24.7,21.3 24.3,21.3 24,21 23.4,21 23.1,21.3 22.7,21.3 22.3,20.9
